# Altium PCB CC_V1.4.PcbDoc (part 4 of 8)
Units mm, origin at the board's own origin, x right, y up, seen from the top; angles counter-clockwise.
Board outline 145 x 123.85 mm, 4 copper layers (Top, GND, Power Plane, Bottom), stack 1.573 mm thick; 334 components, 307 nets, 1570 pads, 1725 vias.
Unrouted connection lines stored in the file: 33.
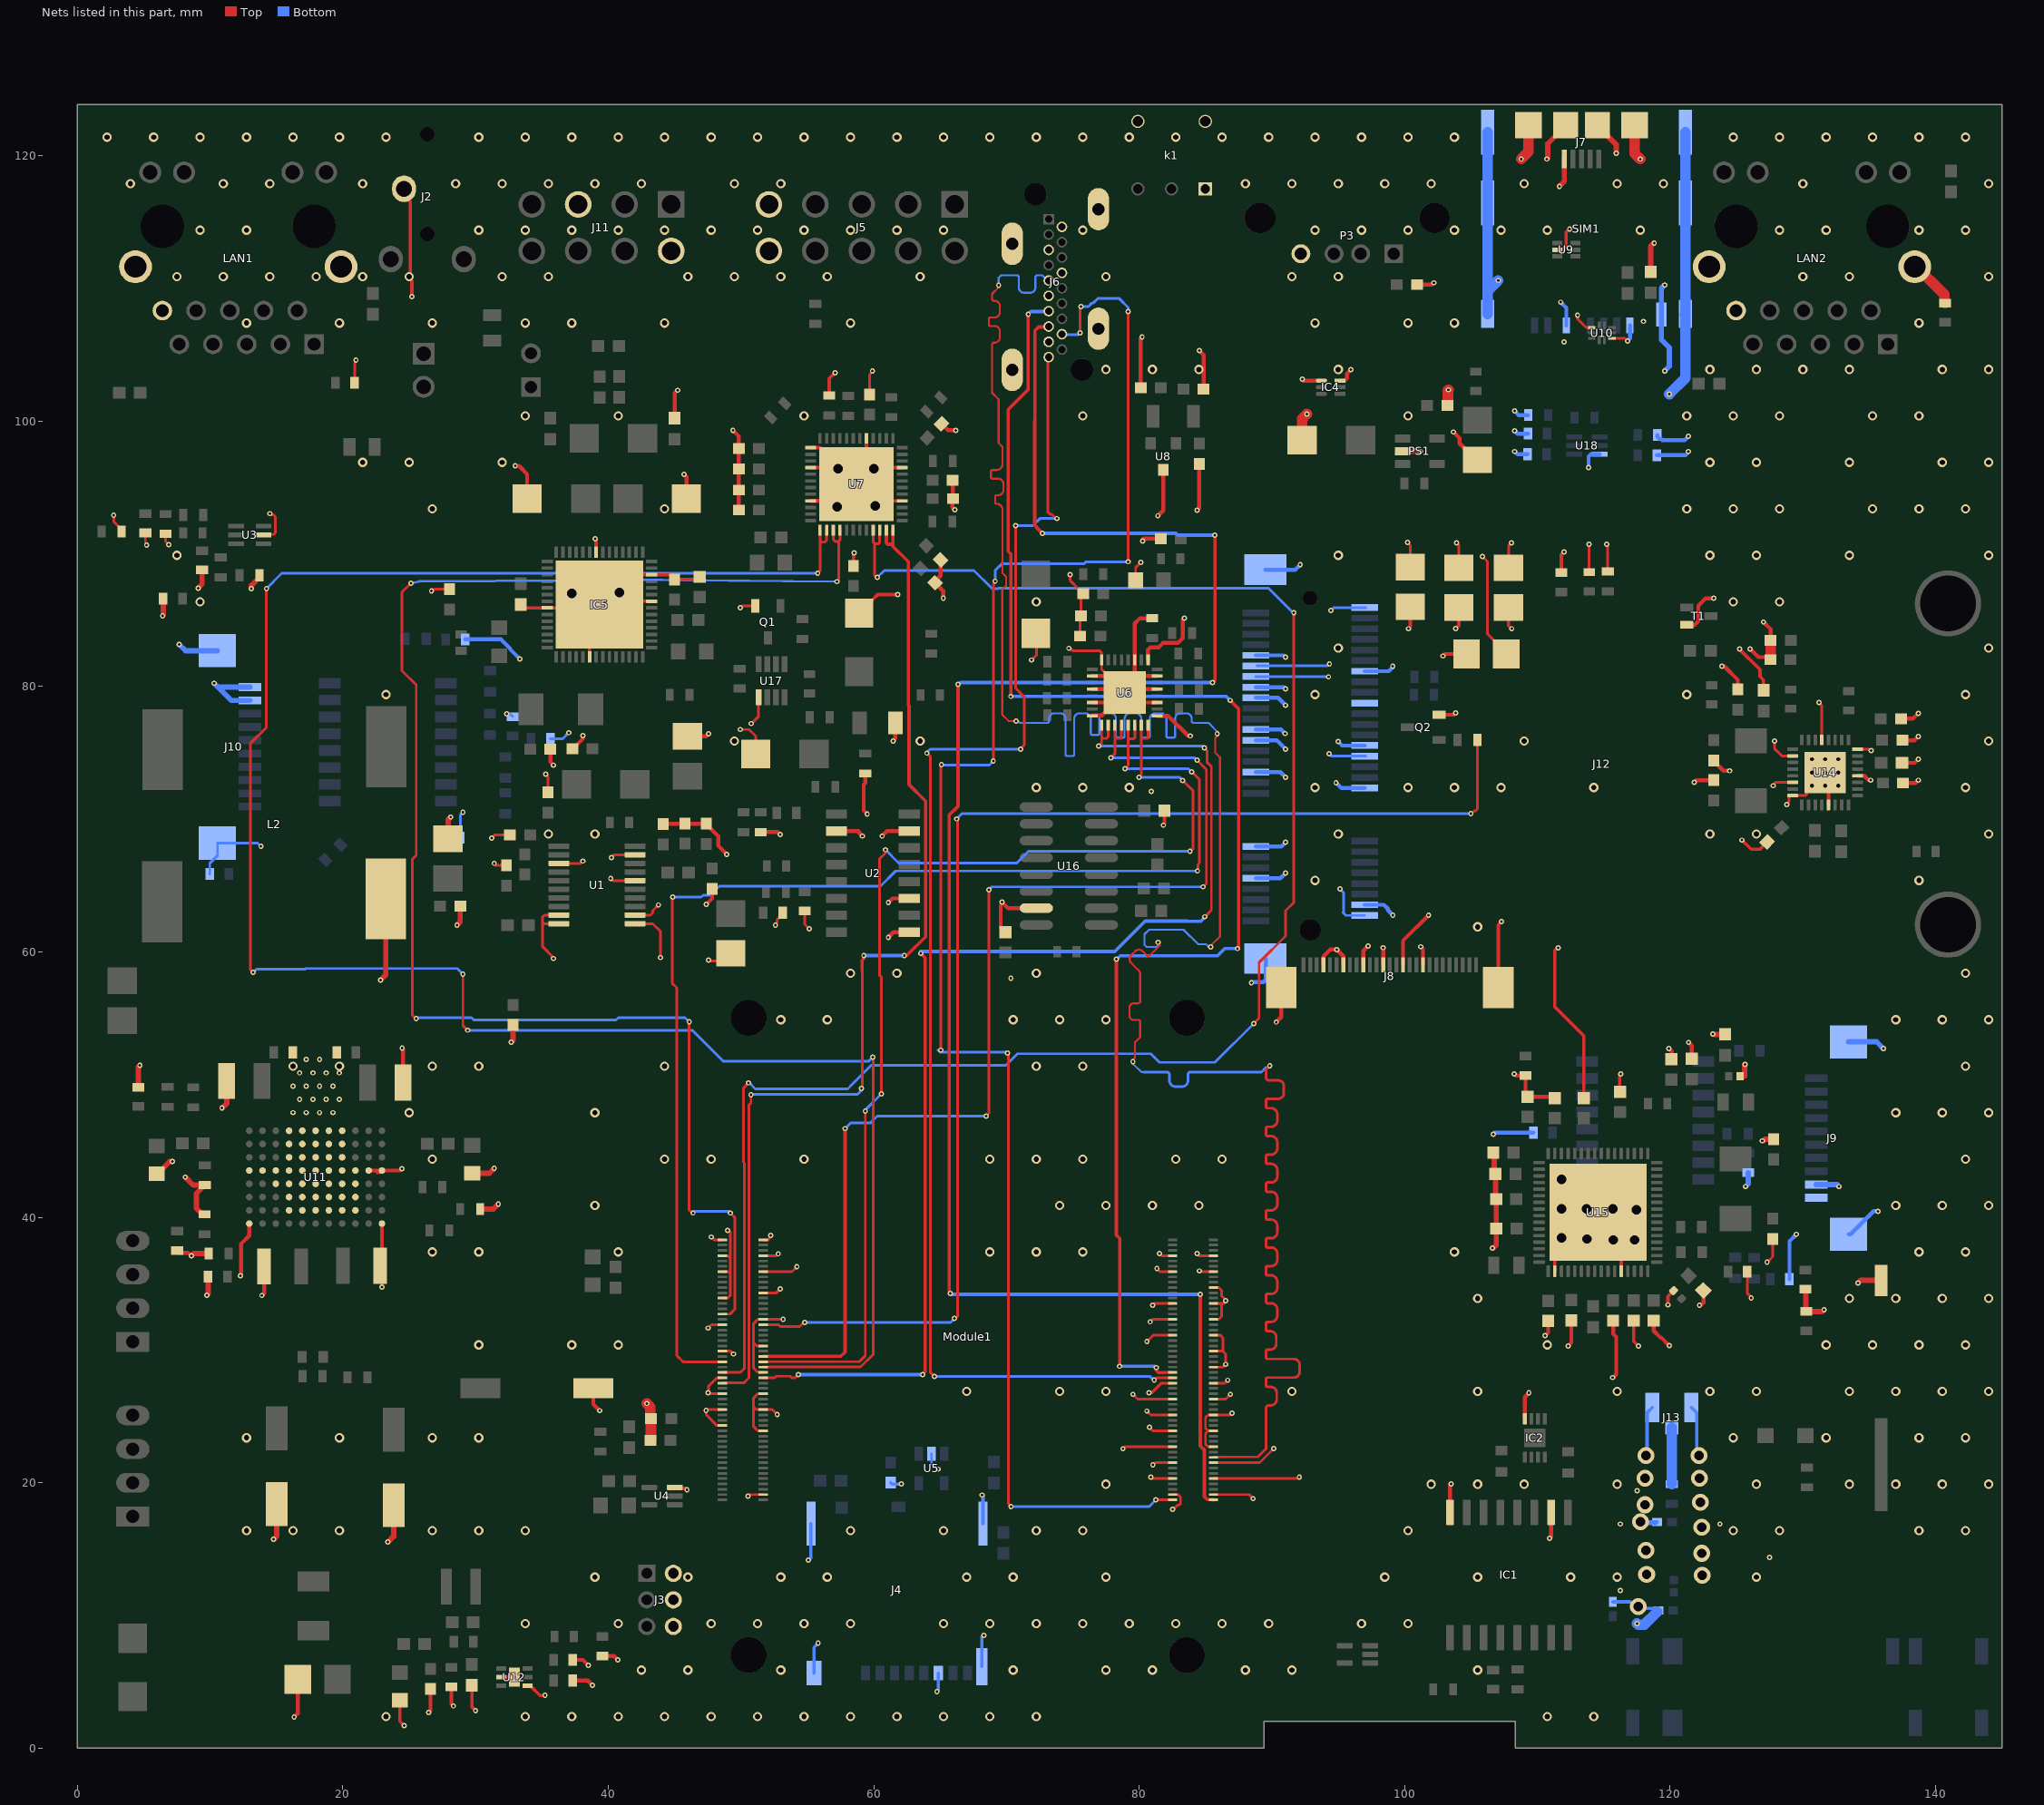
[diagram p6: the nets of this part, all layers, seen from the top]

## Via types
v1: diameter 0.4, hole 0.2, Top to Bottom, 1319 vias
v2: diameter 0.7, hole 0.4, Top to Bottom, 378 vias
v3: diameter 1.27, hole 0.711, Top to Bottom, 28 vias

## Nets (pads, with @x,y where several pads share a name; then routed paths per layer and width w, separated by ;. In a path a pad name is that pad's centre, name@x,y a point inside that pad or via, vN(x,y) a via of type N, cw(c..) or ccw(c..) an arc to the next point about the centre after c; other vN are vias at no path point) (continued)
GND: BAT1.2 C1.2 C2.1 C3.1 C5.2 C6.2 C7.1 C8.2 C9.2 C10.1 C12.1 C13.1 C14.2 C15.2 C17.2 C18.2 C19.2 C21.1 C22.1 C23.1 C24.2 C25.1 C26.1 C27.1 C28.1 C29.1 C30.1 C31.1 C32.1 C33.1 C34.1 C35.1 C36.1 C37.1 C38.1 C39.1 C40.2 C41.2 C42.2 C43.1 C44.2 C45.2 C46.2 C47.1 C48.1 C50.2 C51.1 C52.2 C53.1 C54.1 C55.1 C56.1 C57.2 C58.1 C60.2 C61.2 C62.2 C63.2 C64.2 C66.1 C67.2 C68.2 C69.2 C70.2 C71.2 C72.1 C73.2 C74.2 C75.2 C76.2 C77.2 C78.1 C80.2 C81.2 C82.2 C83.1 C84.1 C85.1 C86.1 C87.1 C88.2 C89.2 C90.1 C91.1 C92.1 C93.1 C94.1 C95.1 C96.1 C97.1 C98.1 C99.1 C100.1 C101.1 C102.1 C103.1 C104.1 C105.1 C106.1 C107.1 C108.1 C109.1 C111.1 C114.1 C115.2 C116.2 C117.2 C118.2 C119.2 C120.2 C121.2 C122.2 C123.2 C124.2 C125.1 C126.1 C127.1 C128.1 D1.1 D4.2 D5.2 D6.2 D8.2 D9.2 IC1.2 IC1.8 IC2.4 IC4.3 IC4.4 IC5.8 IC5.20 IC5.36 IC5.40 IC5.50 IC5.57 J2.1 J3.2 J3.4 J3.6 J4.6 J4.P1 J4.P2 J4.P3 J4.P4 J5.5 J5.6 J6.2 J6.5 J6.8 J6.11 J6.17 J6.SH1 J6.SH2 J6.SH3 J6.SH4 J7.5 J7.S J8.4 J8.7 J8.10 J8.13 J8.16 J8.19 J8.S1 J8.S2 J9.1 J9.2 J9.S1 J9.S2 J10.1 J10.2 J10.S1 J10.S2 J11.3 J11.8 J12.4 J12.9 J12.15 J12.18 J12.21 J12.26 J12.27 J12.29 J12.34 J12.35 J12.37 J12.40 J12.43 J12.M1 J12.M2 J13.1 J13.2 k1.2 k1.3 k1.4 L2.2 L4.1 L5.1 L6.1 LAN1.10 LAN1.S1 LAN1.S2 LAN2.10 LAN2.S1 LAN2.S2 LED3.2 LED5.2 LED6.2 LED7.2 Module1.1 Module1.2 Module1.7 Module1.8 Module1.13 Module1.14 Module1.22 Module1.23 Module1.32 Module1.33 Module1.42 Module1.43 Module1.52 Module1.53 Module1.59 Module1.60 Module1.65 Module1.66 Module1.71 Module1.74 Module1.98 Module1.107 Module1.108 Module1.113 Module1.114 Module1.120 Module1.125 Module1.126 Module1.131 Module1.132 Module1.137 Module1.138 Module1.144 Module1.150 Module1.155 Module1.156 Module1.161 Module1.162 Module1.167 Module1.168 Module1.173 Module1.174 Module1.179 Module1.180 Module1.185 Module1.186 Module1.191 Module1.192 Module1.197 Module1.198 P3.4 PS1.2 Q1.2 Q2.2 R5.2 R9.1 R10.1 R11.1 R24.2 R32.2 R37.2 R44.1 R50.1 R51.1 R52.2 R58.1 R65.1 R66.1 R68.2 R70.1 R83.2 R92.2 R93.1 R100.1 SIM1.1 SIM1.C4 SIM1.C5 SIM1.C8 SW1.1 T1.E U1.3 U1.9 U1.10 U1.11 U1.12 U1.16 U1.19 U2.2 U2.9 U2.11 U2.15 U3.2 U4.3 U5.2 U6.2 U6.4 U6.6 U6.8 U6.17 U6.19 U6.21 U6.23 U6.25 U6.27 U6.32 U6.33 U7.16 U7.21 U7.29 U7.37 U7.40 U7.45 U7.49 U8.3 U9.2 U10.3 U10.8 U11.A1 U11.A5 U11.B5 U11.C4 U11.C5 U11.D2 U11.D3 U11.D4 U11.D5 U11.D6 U11.D7 U11.D8 U11.E2 U11.E3 U11.E4 U11.E5 U11.E6 U11.E7 U11.E8 U11.F2 U11.F3 U11.F4 U11.F5 U11.F6 U11.F7 U11.F8 U11.G2 U11.G3 U11.G4 U11.G5 U11.G6 U11.G7 U11.G8 U11.H2 U11.H3 U11.H4 U11.H5 U11.H6 U11.H7 U11.H8 U11.J2 U11.J3 U11.J4 U11.J5 U11.K5 U11.L1 U11.L5 U12.1 U12.5 U12.7 U14.4 U14.8 U14.13 U14.18 U14.22 U14.24 U14.29 U14.33 U14.33_1 U14.33_2 U14.33_3 U14.33_4 U14.33_5 U14.33_6 U14.33_7 U14.33_8 U14.33_9 U15.34 U15.44 U15.65 U16.15 U17.5 U18.3 | length 730
  Top w0.2: v1(2.731,92.911) 2.757,92.886 2.757,92.411 3.335,91.833 R11.1@3.335,91.682 ; C19.2@5.125,91.575 5.125,90.747 v1(5.225,90.647) ; R10.1@6.65,91.5 6.65,90.925 v1(6.877,90.697) ; U3.2@14.041,91.425 14.073,91.456 14.796,91.456 14.914,91.573 14.914,92.808 14.796,92.925 14.649,92.925 14.549,93.025 v1(14.495,93.025) ; C23.1@20.893,102.88 20.893,104.36 20.949,104.417 20.949,104.554 v1(20.987,104.592) ; v1(26.686,87.2) 26.741,87.2 26.878,87.337 C118.2@28.05,87.337 ; v1(31.228,68.584) 31.47,68.825 C2.1@32.588,68.825 ; v1(31.405,66.675) 31.568,66.512 C8.2@32.325,66.512 ; v1(35.275,73.4) 35.45,73.225 C3.1@35.45,72.012 ; v1(35.875,59.501) 35.875,59.568 35.055,60.388 35.055,62.242 ; U1.10@36.28,62.125 35.172,62.125 35.055,62.242 ; U1.9@36.28,62.775 35.172,62.775 35.055,62.658 35.055,62.242 ; U1.3@36.28,66.675 37.921,66.675 v1(38.092,66.847) ; v1(40.185,65.532) 40.342,65.375 U1.16@42.02,65.375 ; v1(40.235,67.11) 40.45,67.325 U1.19@42.02,67.325 ; U1.11@42.02,62.125 43.35,62.125 43.925,61.55 v1(43.925,59.572) ; U1.12@42.02,62.775 43.175,62.775 43.35,62.95 43.35,63.112 v1(43.775,63.538) ; v1(47.525,31.655) 47.78,31.91 Module1.33@48.591,31.91 ; v1(47.55,59.384) 47.597,59.384 47.656,59.325 49.122,59.325 C9.2@49.253,59.455 ; v1(47.747,38.517) 47.768,38.517 47.975,38.31 Module1.1@48.591,38.31 ; Module1.71@48.591,24.31 48.188,24.31 47.365,25.134 v1(47.365,25.45) 47.419,25.45 47.479,25.51 Module1.65@48.591,25.51 ; Module1.59@48.591,26.71 47.59,26.71 v1(47.525,26.775) 47.552,26.802 47.552,27.275 48.188,27.91 Module1.53@48.591,27.91 ; Module1.43@48.591,29.91 49.215,29.91 v1(49.425,29.7) ; Module1.23@48.591,33.91 48.995,33.91 49.191,34.107 49.191,35.741 ; Module1.13@48.591,35.91 49.022,35.91 49.191,35.741 ; Module1.7@48.591,37.11 48.995,37.11 49.191,36.914 ; v1(48.995,39.025) 49.074,39.025 49.191,38.908 49.191,36.914 ; v1(49.954,76.762) 50.599,76.762 51.1,76.261 D9.2@51.1,74.9 ; v1(49.954,85.925) 50.101,86.072 Q1.2@51.075,86.072 ; v1(50.535,19) 50.646,19.11 Module1.98@51.671,19.11 ; v1(50.775,77.203) 51.325,77.753 U17.5@51.325,79.175 ; Module1.74@51.671,23.91 51.268,23.91 50.949,24.229 50.949,25.708 ; Module1.60@51.671,26.71 51.268,26.71 50.949,26.391 50.949,25.708 ; Module1.52@51.671,28.31 51.268,28.31 50.949,28.629 50.949,30.536 ; Module1.42@51.671,30.31 51.175,30.31 50.949,30.536 ; Module1.22@51.671,34.31 52.661,34.31 v1(52.946,34.595) ; Module1.14@51.671,35.91 53.842,35.91 v1(54.203,36.271) ; Module1.8@51.671,37.11 52.659,37.11 v1(52.801,37.252) ; Module1.2@51.671,38.31 52.046,38.31 52.23,38.495 v1(52.23,38.651) ; v1(52.596,62.025) 52.596,62.079 52.7,62.183 52.7,62.4 53.125,62.825 C5.2@53.125,62.95 ; v1(52.727,25.134) 52.35,25.51 Module1.66@51.671,25.51 51.146,25.51 50.949,25.708 ; v1(53.175,32.32) 53.166,32.31 Module1.32@51.671,32.31 51.268,32.31 50.949,31.991 50.949,30.536 ; C13.1@54.8,63.075 54.8,62.089 v1(55.143,61.746) ; C38.1@59.675,102.012 59.675,103.503 59.902,103.729 v1(59.902,103.784) ; v1(71.887,81.993) 72.25,82.356 72.25,83.975 D1.1@72.225,84 ; v1(74.7,82.875) 74.8,82.875 74.975,82.7 77,82.7 77.162,82.538 U6.32@77.162,81.993 77.162,81.292 77.662,80.792 78.662,79.792 U6.33@78.912,79.542 ; v1(74.8,88.421) 74.8,87.974 75.431,87.342 75.431,87.304 75.737,86.998 C27.1@75.776,86.998 75.598,86.82 C28.1@75.598,85.321 75.547,85.271 C26.1@75.547,83.797 ; v1(78.772,22.563) 78.92,22.71 Module1.179@82.511,22.71 ; v1(79.525,26.66) 79.875,26.31 Module1.161@82.511,26.31 ; LED3.2@79.535,87.819 LED3.2@79.729,88.014 79.729,88.96 v1(80.115,89.346) ; v1(80.577,25.4) 80.867,25.11 Module1.167@82.511,25.11 ; v1(80.577,30.648) 81.04,31.11 Module1.137@82.511,31.11 ; v1(80.747,26.775) 80.759,26.762 80.925,26.762 81.673,27.51 Module1.155@82.511,27.51 ; v1(80.762,24.175) 81.026,23.91 Module1.173@82.511,23.91 ; v1(80.823,32.125) 81.008,32.31 Module1.131@82.511,32.31 ; v1(80.867,20.417) 80.974,20.31 Module1.191@82.511,20.31 ; v1(81.001,33.375) 81.136,33.51 Module1.125@82.511,33.51 ; v1(81.027,21.342) 81.032,21.336 81.206,21.51 Module1.185@82.511,21.51 ; v1(81.335,36.14) 81.565,35.91 Module1.113@82.511,35.91 ; v1(81.525,37.27) 81.538,37.27 81.697,37.11 Module1.107@82.511,37.11 ; v1(82.511,18.009) 82.566,18.009 82.871,18.314 82.994,18.314 83.111,18.431 83.111,18.914 82.915,19.11 Module1.197@82.511,19.11 ; v1(84.353,37.27) 84.513,37.11 Module1.108@85.591,37.11 ; v1(84.526,35.96) 84.576,35.91 Module1.114@85.591,35.91 ; Module1.198@85.591,19.11 88.269,19.11 v1(88.58,18.8) ; Module1.192@85.591,20.31 91.949,20.31 v1(92.06,20.422) ; Module1.186@85.591,21.51 89.077,21.51 90.139,22.573 v1(90.139,22.582) ; Module1.180@85.591,22.71 85.188,22.71 84.991,22.907 84.991,23.714 85.188,23.91 ; Module1.174@85.591,23.91 85.188,23.91 ; Module1.162@85.591,26.31 86.518,26.31 v1(86.868,26.66) ; Module1.156@85.591,27.51 86.452,27.51 v1(86.667,27.725) ; Module1.150@85.591,28.71 86.308,28.71 v1(86.518,28.92) 86.518,29.695 86.302,29.91 ; Module1.144@85.591,29.91 86.302,29.91 ; Module1.138@85.591,31.11 86.117,31.11 86.302,30.925 86.302,29.91 ; Module1.132@85.591,32.31 85.995,32.31 86.208,32.523 86.208,33.363 86.06,33.51 ; Module1.126@85.591,33.51 86.06,33.51 ; Module1.120@85.591,34.71 85.995,34.71 86.193,34.513 86.193,34.1 86.514,33.779 v1(86.514,33.725) 86.514,33.671 86.397,33.554 86.397,33.51 86.06,33.51 ; v1(86.985,25.249) 86.985,25.228 86.868,25.11 Module1.168@85.591,25.11 85.188,25.11 84.991,24.914 84.991,24.107 85.188,23.91 ; v1(113.017,107.984) 113.017,107.705 113.667,107.055 114.069,107.055 U10.8@114.081,107.043 ; U10.3@115.618,106.243 116.597,106.243 v1(116.8,106.04) ; C87.1@125.8,35.9 125.8,34.283 126.1,33.983 v1(126.1,33.929) ; v1(127.3,36.625) 127.3,36.6 127.725,37.025 C89.2@127.725,38.363 ; v1(127.75,72.525) 127.75,72.575 127.95,72.775 U14.22@129.23,72.775 ; v1(127.85,75.9) 127.85,75.33 128.405,74.775 U14.18@129.23,74.775 ; v1(128.779,71.095) 128.779,71.149 128.959,71.329 128.959,71.74 128.994,71.775 U14.24@129.23,71.775 130.171,71.775 130.301,71.905 U14.33@130.301,72.115 ; v1(131.2,78.8) 131.2,78.792 131.425,78.567 U14.13@131.425,75.97 ; U14.8@134.12,75.275 134.983,75.275 135.088,75.17 v1(135.143,75.17) ; 49.191,35.741 49.191,36.914
  Top w0.25: LED7.2@24.25,3.6 LED7.2@24.3,3.6 24.3,2.027 v1(24.627,1.7) ; v1(26.462,2.688) 26.6,2.826 C72.1@26.6,4.45 ; C60.2@28.175,4.625 28.175,3.334 v1(28.329,3.18) ; R58.1@29.725,4.738 29.725,3.101 v1(30,2.826) ; U12.5@31.925,5.35 32.915,5.35 v1(32.925,5.34) ; R83.2@33.4,86.175 33.65,85.925 IC5.8@35.4,85.925 IC5.57@39.085,85.925 ; U12.1@33.925,4.7 34.125,4.7 34.862,3.962 35.22,3.962 v1(35.235,3.978) ; IC5.20@38.585,82.24 38.585,85.425 IC5.57@39.085,85.925 ; IC5.57@40.53,87.37 IC5.57@41.585,88.425 ; IC5.36@43.27,86.425 IC5.57@39.585,86.425 ; U4.3@45,19.65 45.075,19.575 45.79,19.575 45.887,19.478 v1(45.928,19.478) ; C114.1@46.875,88.262 46.675,88.062 C119.2@45,88.062 45,88.1 44.675,88.425 IC5.40@43.27,88.425 IC5.57@41.585,88.425 ; C97.1@117.25,32.213 117.25,30.666 v1(117.606,30.31) ; IC5.57@39.085,85.925 IC5.57@39.335,86.175 IC5.57@39.585,86.425 ; IC5.57@39.585,86.425 40.235,87.075 IC5.57@41.585,88.425
  Top w0.254: U11.K5@21.95,43.525 U11.L5@22.95,43.525 ; 22.591,43.376 22.801,43.376 U11.L5@22.95,43.525 ; v1(24.459,43.671) 24.313,43.525 U11.L5@22.95,43.525 ; J2.1@24.612,117.503 24.612,116.985 25.082,116.515 25.082,110.682 25.2,110.563 v1(25.2,109.371) ; v1(39,91.125) 39,91.1 39.085,91.015 IC5.50@39.085,90.11 ; v1(47.374,63.58) 47.825,64.031 C10.1@47.825,64.75 ; U7.40@55.246,96.493 U7.49@57.451,96.493 ; U7.37@55.246,97.993 55.951,97.993 U7.49@57.451,96.493 ; R32.2@56.65,101.925 56.65,103.211 v1(57.084,103.645) ; C39.1@58.475,89.087 58.475,90.032 v1(58.518,90.075) ; D6.2@58.9,85.525 58.9,85.55 59.848,86.498 59.873,86.498 60.3,86.925 v1(61.803,86.925) ; U7.29@59.451,98.698 U7.49@59.451,95.993 ; U7.16@62.155,93.993 59.951,93.993 U7.49@58.701,95.243 ; U7.21@62.155,96.493 59.951,96.493 U7.49@59.451,95.993 ; v1(69.661,63.753) 69.633,63.725 69.633,63.58 69.562,63.51 69.562,61.969 69.595,61.937 69.595,61.82 C111.1@69.925,61.49 ; v1(81.815,69.55) 81.897,69.632 C115.2@81.897,70.632 ; v1(100.273,84.35) 100.273,84.363 100.425,84.515 C121.2@100.425,86 ; Q2.2@102.6,77.875 103.707,77.875 v1(103.834,78.003) ; v1(102.875,82.299) 103.026,82.45 C123.2@104.65,82.45 ; v1(103.834,84.363) 104.075,84.604 C124.2@104.075,85.95 ; J8.S2@107.045,57.325 107.045,62.032 v1(107.295,62.282) ; C122.2@107.825,85.95 107.825,84.586 v1(108.061,84.35) ; U15.34@111.31,35.94 111.31,37.125 U15.65@111.515,37.33 ; U9.2@111.485,112.911 111.533,112.959 111.967,112.959 112.157,113.15 112.157,114.232 112.4,114.475 v1(112.427,114.475) ; v1(111.56,60.295) 111.515,60.25 111.459,60.25 111.31,60.101 111.31,55.865 113.491,53.684 C101.1@113.491,48.987 ; C43.1@111.8,88.575 111.8,89.955 111.995,90.15 v1(112.008,90.15) ; C100.1@116.225,49.462 116.2,49.487 116.2,50.73 v1(116.27,50.8) ; v1(119.825,33.398) 119.825,34.048 C77.2@120.256,34.479 ; v1(125.233,82.825) 125.233,82.796 126.762,81.268 126.762,80.755 127.025,80.491 R66.1@127.025,79.725 ; v1(125.411,68.425) 126.099,67.736 126.762,67.736 C70.2@127.311,68.286 ; U7.49@57.451,96.493 U7.49@58.701,95.243 ; U7.49@58.701,95.243 U7.49@59.451,95.993
  Top w0.3: C55.1@7.518,37.509 7.693,37.334 8.343,37.334 8.565,37.112 v1(8.592,37.112) ; v1(12.275,35.596) 12.275,35.623 12.346,35.694 12.346,38.017 12.95,38.62 U11.A1@12.95,39.525 ; v1(13.905,34.112) 14.075,34.282 C47.1@14.075,36.3 ; v1(16.332,2.345) 16.602,2.615 C46.2@16.602,5.185 ; v1(22.95,34.742) 22.95,36.2 C51.1@22.8,36.35 22.95,36.5 U11.L1@22.95,39.525 ; v1(24.467,52.757) 24.53,52.695 C53.1@24.53,50.15 ; v1(32.982,96.628) 33.002,96.608 33.285,96.608 33.885,96.008 D5.2@33.885,94.152 ; C116.2@35.65,75.287 C116.2@35.637,75.275 35.637,74.578 35.65,74.565 35.65,74.317 35.875,74.092 v1(35.875,74.065) ; C117.2@37.275,75.287 C117.2@37.288,75.3 37.326,75.3 38.085,76.059 v1(38.085,76.298) ; C63.2@37.325,5.1 38.449,5.1 v1(38.811,4.738) ; C62.2@37.325,6.65 38.09,6.65 v1(38.498,6.242) ; SW1.1@38.875,27.11 38.875,25.909 v1(39.35,25.434) ; C61.2@39.55,6.95 40.427,6.95 v1(40.727,6.65) ; C15.2@44.125,69.624 44.144,69.643 47.356,69.643 C7.1@47.375,69.662 47.375,69.624 48.281,68.718 48.281,68 v1(48.931,67.35) ; R93.1@45,100.213 45,102.112 45.213,102.325 v1(45.225,102.325) ; v1(45.706,95.993) 45.885,95.814 D8.2@45.885,94.152 ; C6.2@45.962,76.24 47.374,76.24 47.55,76.416 v1(47.55,76.435) ; v1(49.384,99.299) 49.837,98.846 C30.1@49.837,97.926 C33.1@49.837,96.4 C37.1@49.837,94.804 C32.1@49.837,93.303 ; R5.2@51.475,69.025 52.759,69.025 52.934,68.85 v1(52.961,68.85) ; U7.45@55.246,93.993 57.451,93.993 U7.49@58.701,95.243 ; U2.2@57.199,69.11 58.851,69.11 58.851,69.037 59.131,68.756 v1(59.131,68.729) ; R92.2@59.36,73.45 59.36,72.718 59.244,72.602 59.244,70.663 59.5,70.407 v1(59.5,70.38) ; v1(60.629,68.729) 60.629,68.744 60.995,69.11 U2.15@62.675,69.11 ; v1(61.1,61.103) 61.487,61.49 U2.9@62.675,61.49 ; v1(61.1,63.725) 61.405,64.03 U2.11@62.675,64.03 ; v1(61.451,75.9) 61.625,76.075 C120.2@61.625,77.25 ; C34.1@65.036,89.536 65.063,89.509 65.063,89.147 65.036,89.12 65.036,88.351 64.61,87.925 C29.1@64.61,87.814 64.61,87.804 65.237,87.176 v1(65.237,86.65) ; C31.1@65.103,99.803 65.598,99.308 66.162,99.308 v1(66.17,99.299) ; C36.1@65.949,95.541 65.955,95.535 65.955,94.159 C35.1@65.962,94.152 65.92,94.111 65.92,93.483 66.014,93.389 66.074,93.329 v1(66.1,93.329) ; v1(69.661,63.753) 70.116,63.298 72.248,63.298 U16.15@72.25,63.3 ; U6.8@76.461,77.815 77.185,77.815 U6.33@78.912,79.542 ; U6.6@76.461,78.792 77.3,78.792 ; U6.4@76.461,79.792 U6.33@78.662,79.792 ; U6.2@76.461,80.792 U6.33@77.662,80.792 ; C42.2@80.115,102.502 80.115,106.251 v1(80.209,106.345) ; v1(80.268,90.967) 80.287,90.986 80.287,91.104 80.319,91.136 C25.1@81.61,91.136 ; U6.25@80.662,81.993 80.662,82.771 80.838,82.947 81.459,82.947 81.788,83.276 82.905,83.276 83.275,83.646 83.275,85.025 v1(83.4,85.15) ; R24.2@80.982,85.145 80.058,85.145 79.662,84.749 U6.27@79.662,81.993 U6.33@79.662,80.292 ; U6.17@81.363,77.792 82.171,77.792 83.687,76.277 v1(83.85,76.277) ; U6.19@81.363,78.792 79.662,78.792 U6.33@78.912,79.542 ; U6.21@81.363,79.792 U6.33@79.162,79.792 ; U6.23@81.363,80.792 80.162,80.792 U6.33@79.662,80.292 ; v1(81.405,92.861) 81.815,93.272 U8.3@81.815,96.32 ; v1(84.36,93.272) 84.525,93.437 C41.2@84.525,96.773 ; v1(84.525,105.306) 84.841,104.989 C40.2@84.841,102.415 ; v1(90.321,54.715) 90.705,55.099 J8.S1@90.705,57.325 ; v1(92.275,103.159) 92.384,103.05 IC4.4@93.725,103.05 ; J8.4@93.875,59.025 93.875,59.649 94.403,60.177 v1(94.875,60.177) 95.375,59.677 J8.7@95.375,59.025 ; IC4.3@95.125,103.05 95.485,103.05 95.661,103.226 95.661,103.578 v1(95.952,103.87) ; J8.10@96.875,59.025 96.875,60.079 v1(97.246,60.451) ; v1(98.359,60.318) 98.381,60.296 98.381,60.144 98.378,60.05 98.378,59.028 98.375,59.028 J8.13@98.375,59.025 ; J8.16@99.875,59.025 99.875,60.848 v1(101.8,62.773) ; C81.2@100.928,110.288 102.038,110.288 102.173,110.423 v1(102.2,110.423) ; v1(101.21,60.389) 101.375,60.225 J8.19@101.375,59.025 ; IC1.8@103.405,17.77 103.405,19.828 v1(103.487,19.91) ; v1(103.672,99.181) 104.134,98.718 104.134,98.316 105.375,97.075 C80.2@105.475,97.075 ; v1(108.254,50.8) 108.359,50.695 109.095,50.695 C83.1@109.1,50.7 109.1,49.247 C104.1@109.26,49.087 111.21,49.087 C105.1@111.31,48.987 ; IC2.4@109.042,24.83 109.042,26.458 v1(109.355,26.77) ; v1(110.575,31.075) 110.81,31.31 C93.1@110.81,32.188 ; v1(110.903,15.815) 111.025,15.937 IC1.2@111.025,17.77 ; v1(112.31,30.31) 112.55,30.55 C106.1@112.55,32.238 ; v1(115.67,27.925) 115.7,27.925 115.933,28.158 115.933,30.988 115.7,31.221 C103.1@115.7,32.213 ; U15.65@115.7,39.235 116.31,38.625 U15.44@116.31,35.94 ; C102.1@118.75,32.213 118.75,31.45 119.25,30.95 119.312,30.95 v1(119.938,30.325) ; v1(119.907,52.711) 120.123,52.495 120.123,51.96 C99.1@120.075,51.912 ; T1.E@121.25,84.65 121.296,84.604 121.804,84.604 122.121,84.92 122.121,86.087 122.662,86.628 123.271,86.628 v1(123.29,86.648) ; v1(121.385,53.178) 121.625,52.938 C98.1@121.625,51.937 ; v1(121.818,72.775) 121.98,72.937 C68.2@123.275,72.937 ; v1(122.205,33.375) 122.314,33.375 122.517,33.578 122.517,34.47 R70.1@122.499,34.488 R70.1@122.481,34.506 ; C67.2@123.275,74.425 123.275,74.387 124.014,73.648 v1(124.472,73.648) ; v1(123.9,81.537) 123.919,81.518 124.079,81.518 125.091,80.506 125.091,79.796 C69.2@125.1,79.787 ; v1(126.026,82.825) 126.643,82.208 127.355,82.208 C76.2@127.538,82.025 ; v1(127.025,84.86) 127.563,84.322 C75.2@127.563,83.475 ; U14.29@131.925,71.08 131.925,71.929 ; U14.4@134.12,73.275 134.61,73.275 134.928,72.956 135.096,72.956 v1(135.115,72.937) ; C74.2@137.387,77.575 138.29,77.575 v1(138.69,77.975) ; R65.1@137.462,74.25 138.415,74.25 v1(138.69,74.525) ; C73.2@137.499,75.95 138.408,75.95 v1(138.69,76.232) ; C71.2@137.537,72.725 138.478,72.725 v1(138.69,72.937) ; U6.33@78.912,79.542 U6.33@79.162,79.792 ; U6.33@79.162,79.792 U6.33@79.662,80.292
  Top w0.4: C54.1@4.6,49.8 4.6,51.337 v1(4.713,51.45) ; LED5.2@5.975,43.275 6.025,43.275 6.95,44.2 v1(7.15,44.2) ; v1(6.425,85.325) 6.475,85.375 C18.2@6.475,86.625 ; v1(8.132,43.029) 8.736,42.425 R44.1@9.45,42.425 ; v1(8.592,37.112) 8.756,37.275 R52.2@9.9,37.275 ; v1(9.096,87.412) 9.4,87.716 C17.2@9.4,88.775 ; R50.1@9.575,40.225 9.425,40.225 8.975,40.675 8.975,41.8 9.35,42.175 9.35,42.325 R44.1@9.45,42.425 ; R44.1@9.6,42.425 R44.1@9.45,42.425 ; v1(9.751,34.121) 9.85,34.22 C56.1@9.85,35.525 ; v1(10.897,48.242) 10.926,48.242 11.25,48.567 11.25,50.27 C48.1@11.245,50.275 ; v1(13.1,87.375) 13.1,87.6 13.725,88.225 R9.1@13.725,88.375 ; v1(14.79,15.735) 15.025,15.97 C44.2@15.025,18.4 ; v1(22.85,57.875) 23.24,58.265 L2.2@23.24,64.004 ; v1(23.397,15.528) 23.825,15.955 C50.2@23.825,18.3 ; C1.2@27.925,68.532 27.925,69.963 v1(28.125,70.163) ; v1(28.603,62.025) 28.847,62.269 C58.1@28.847,63.46 ; LED6.2@29.75,43.325 31.045,43.325 v1(31.405,43.685) ; R51.1@30.35,40.625 31.337,40.625 v1(31.715,41.003) ; v1(32.693,53.2) 32.815,53.322 C12.1@32.815,54.488 ; v3(37.263,87.004) 38.092,86.175 IC5.57@39.335,86.175 ; IC5.57@40.235,87.075 v3(40.825,87.075) ; PS1.2@99.835,97.728 101.144,97.728 v1(101.163,97.709) ; v1(106.617,37.677) 106.673,37.677 106.898,37.902 C96.1@106.898,39.15 106.891,39.157 106.891,41.369 C94.1@106.885,41.375 106.854,41.406 106.854,43.244 C92.1@106.823,43.275 106.748,43.35 106.748,44.8 C95.1@106.673,44.875 ; v1(110.7,119.748) 110.775,119.823 110.775,120.903 112.12,122.248 J7.S@112.12,122.298 J7.S@112.02,122.198 ; U15.65@111.515,37.33 U15.65@114.56,40.375 115.7,39.235 v3(115.7,38.3) ; v1(111.65,117.69) 112.02,118.06 J7.5@112.02,119.748 ; J7.S@114.52,122.298 114.52,122.248 115.925,120.843 115.925,120.174 v1(115.928,120.171) ; R37.2@118.525,111.242 118.525,113.155 v1(118.793,113.423) ; v1(123.225,53.814) 123.251,53.787 R68.2@124.15,53.787 ; 125.597,50.625 125.597,51.489 v1(125.633,51.525) ; v1(126.942,45.763) 127.01,45.763 127.125,45.878 127.775,45.878 C88.2@127.785,45.887 ; C64.2@130.175,34.575 130.213,34.538 130.213,32.937 C57.2@130.25,32.9 131.455,32.9 v1(131.6,33.045) ; v1(134.157,35.045) 134.362,35.25 BAT1.2@135.9,35.25